# Altium PCB MB1019.PcbDoc (part 2 of 4)
Units mil, origin at the board's own origin, x right, y up, seen from the top; angles counter-clockwise.
Board outline 4655 x 6805 mil, 4 copper layers (TopLayer, VCC, GND, BottomLayer), stack 26.137 mil thick; 557 components, 425 nets, 1918 pads, 817 vias.
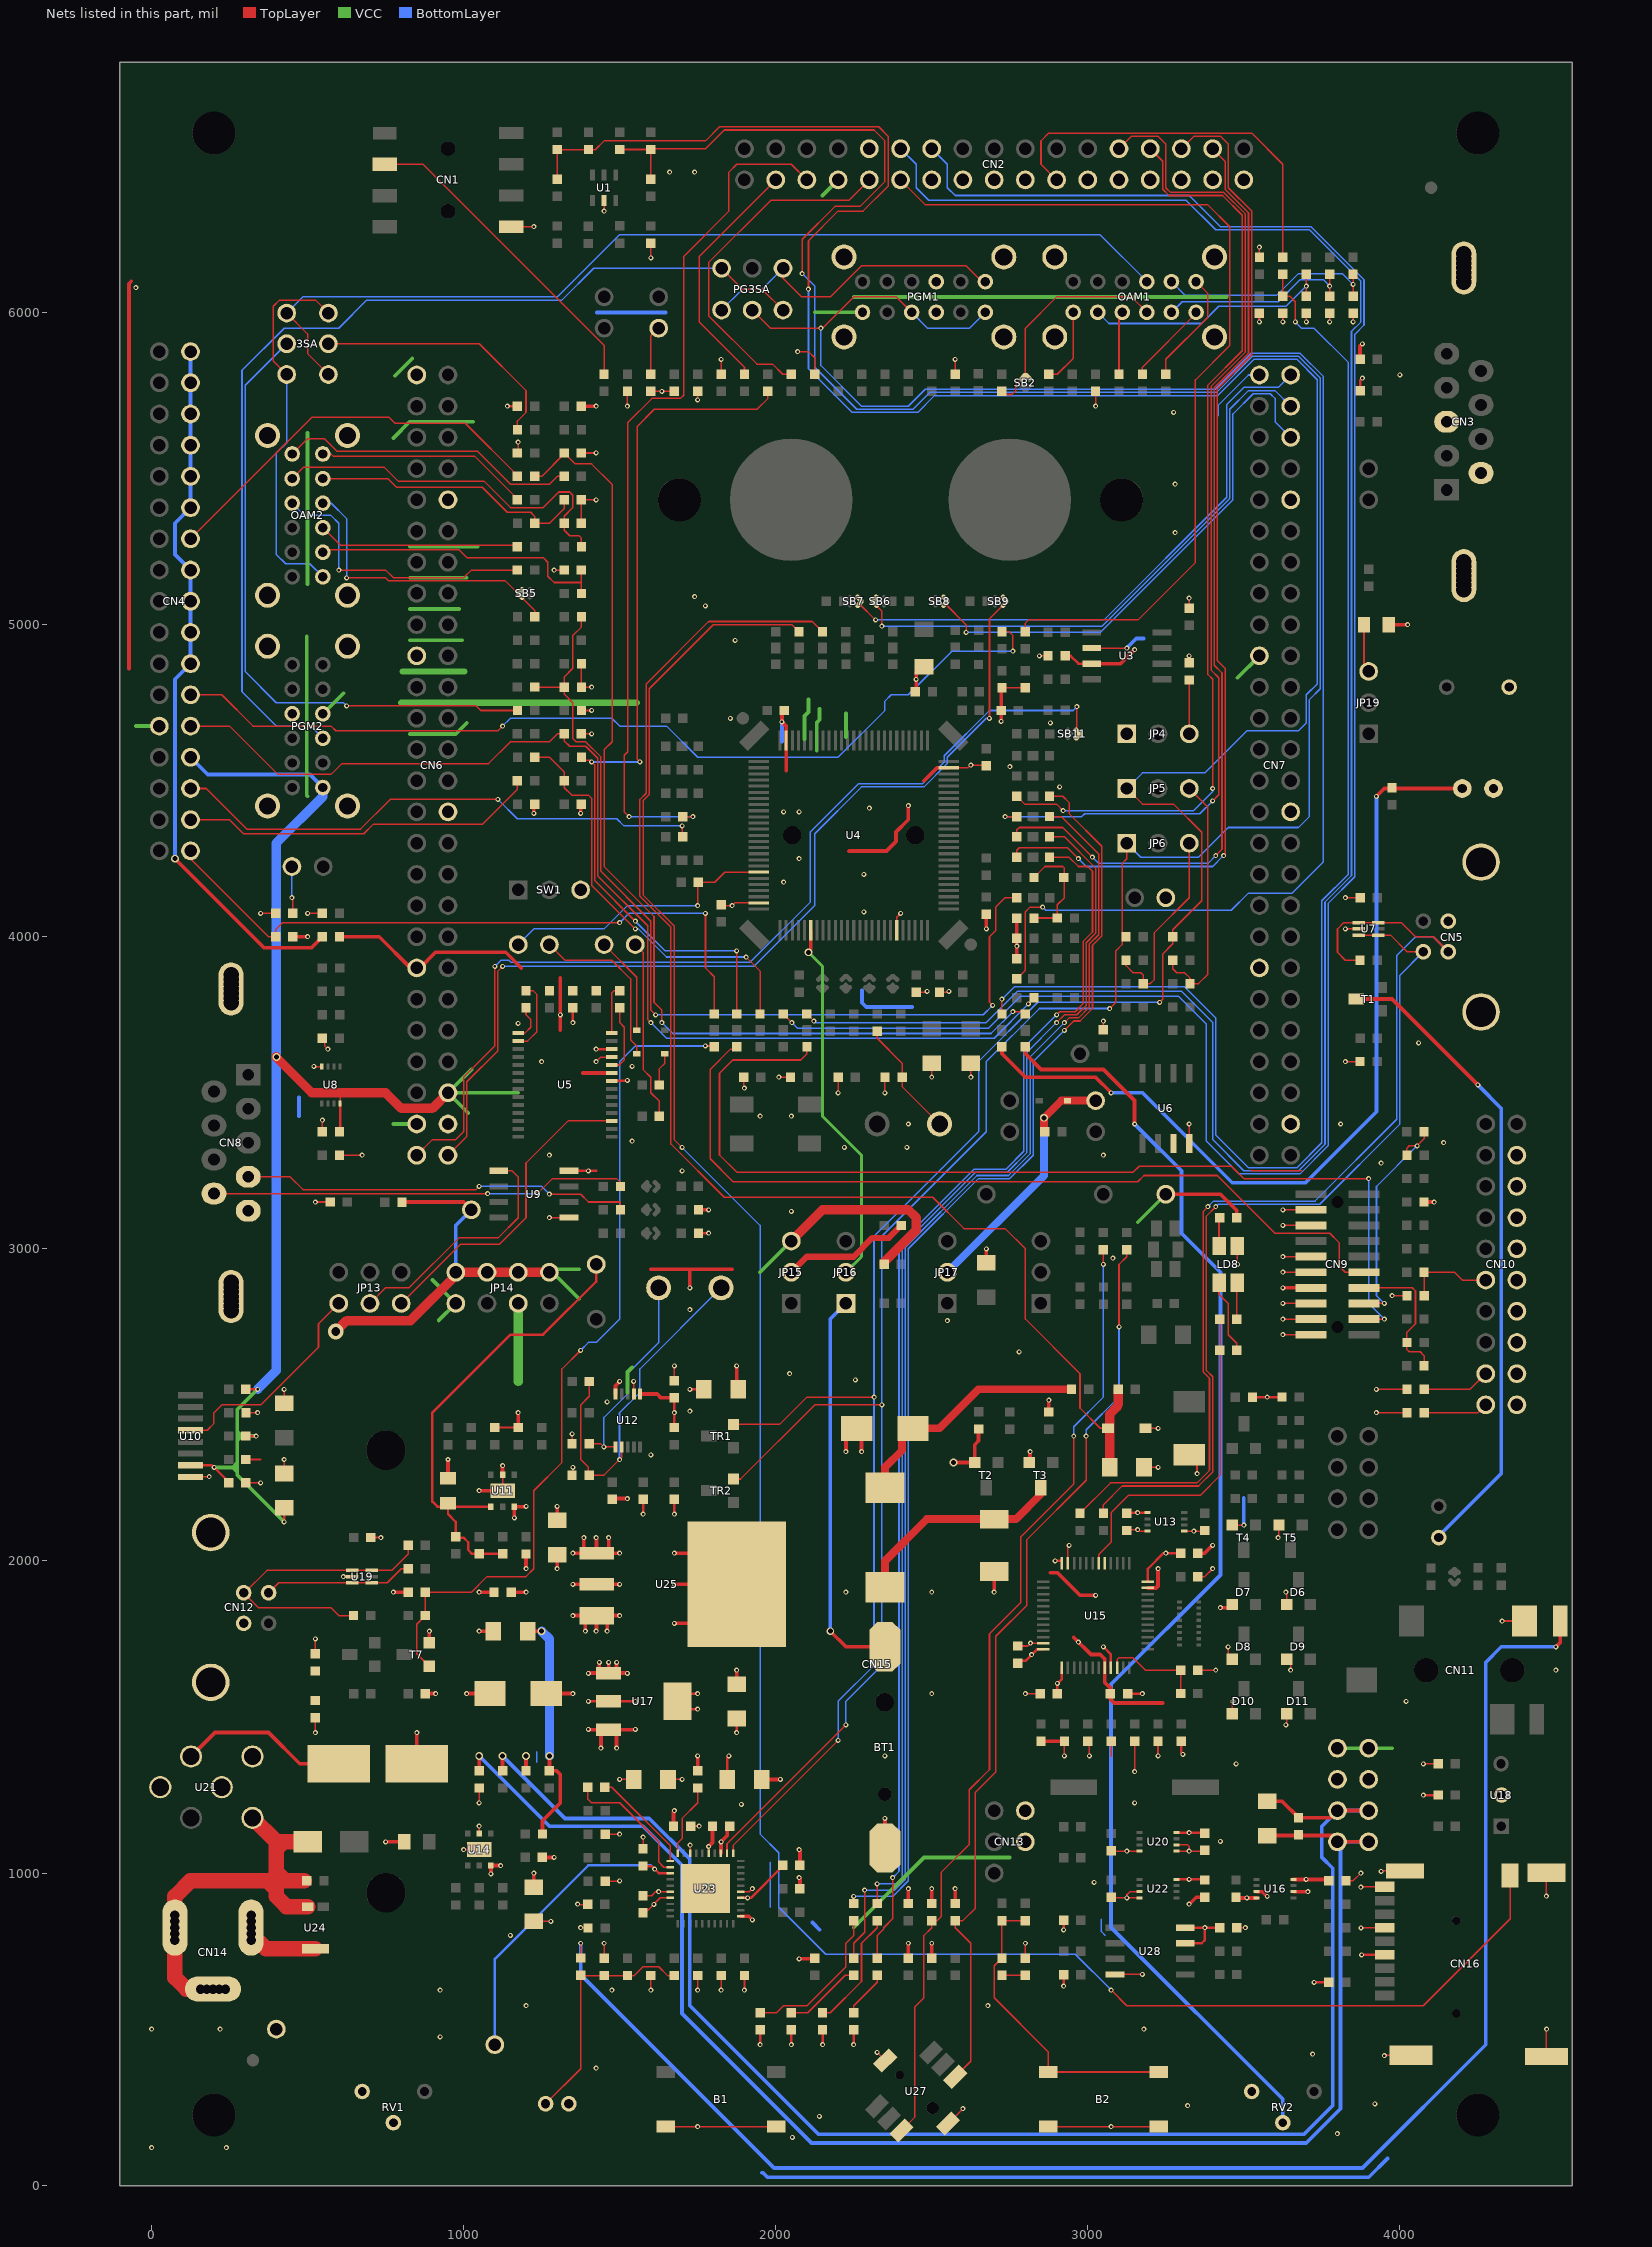
[diagram p4: the nets of this part, all layers, seen from the top]

## Via types
v1: diameter 16, hole 8, TopLayer to BottomLayer, tented both sides, 770 vias
v2: diameter 16, hole 8, TopLayer to BottomLayer, 26 vias
v3: diameter 25, hole 16, TopLayer to BottomLayer, tented both sides, 17 vias
v4: diameter 50, hole 28, TopLayer to BottomLayer, tented both sides, 4 vias

## Nets (pads, with @x,y where several pads share a name; then routed paths per layer and width w, separated by ;. In a path a pad name is that pad's centre, name@x,y a point inside that pad or via, vN(x,y) a via of type N, cw(c..) or ccw(c..) an arc to the next point about the centre after c; other vN are vias at no path point)
+1V8: C66.1 C70.2 R253.2 R278.1 TP6.1 U11.4 | length 1527.4
  TopLayer w7.87: C66.1@950,2173.82 950,2150 975,2125 975,2077.5 977.5,2075 1000,2075 1015,2060 1015,2035 1027.5,2022.5 C70.2@1125,2022.5 ; U11.4@1087.6,2173.82 916.18,2173.82 900,2190 900,2475 1150,2725 1255,2725 1425,2895 TP6.1@1425,2950
+2V5: C96.1 C103.1 C104.1 C105.1 C106.1 TP9.1 U17.2 U23.13 U23.16 U23.34 | length 1686.9
  TopLayer w5: C105.1@1575,927.5 1602.5,927.5 1615.16,940.16 U23.16@1662.01,940.16
  TopLayer w8: v1(1400,1550) v1(1550,1550) ; C106.1@1575,1022.5 1602.5,1022.5 1625.79,999.21 U23.13@1662.01,999.21 ; U17.2@1685,1525 v1(1750,1525) ; U17.2@1685,1575 v1(1750,1575) ; C96.1@1845,1300 1845,1370 v1(1850,1375) ; v1(1875,1450) C104.1@1875,1495 ; U23.34@1887.99,920.47 1920.47,920.47 2022.5,1022.5 C103.1@2022.5,1025
  BottomLayer w8: TP9.1@1100,450 1100,725 1400,1025 1600,1025 v1(1612.32,1012.68)
  other v1: 1910,920.47 1625,940.16
+3V3: C18.2 C36.2 C53.2 C57.1 C60.1 C65.1 C69.1 C74.2 C76.2 C80.2 C82.1 C83.1 C84.2 C86.1 C110.2 C114.1 C115.2 C129.2 CN2.28 CN4.28 CN6.48 CN13.4 CN15.9 CN15.10 CN16.4 JP15.3 LD1.1 LD2.1 LD3.1 LD4.1 LD9.1 PGM1.1 PGM1.4 PGM1.7 PGM2.1 PGM2.4 PGM2.7 R72.2 R78.2 R86.1 R125.2 R222.2 R228.2 R230.2 R240.2 R243.1 R249.2 R252.1 R255.1 R269.1 R270.1 R277.2 R292.2 R293.1 R296.2 R314.1 R320.2 R328.1 T1.3 TP4.1 U3.3 U5.22 U5.26 U8.8 U9.8 U10.7 U12.1 U13.1 U15.1 U15.9 U15.24 U15.36 U15.48 U16.8 U20.8 U22.8 U25.2 U28.7 U28.8 | length 16163.7
  TopLayer w5: U8.8@604.53,3465.94 604.53,3499.53 605,3500
  TopLayer w8: U10.7@125,2306.5 193.5,2306.5 247.5,2252.5 C65.1@247.5,2250 ; R252.1@302.5,2400 v1(335,2400) ; R243.1@302.5,2550 v1(340,2550) ; v1(425,2125) C69.1@425,2170 ; C53.2@604.53,3377.03 U8.8@604.53,3465.94 ; v1(1140,5700) R78.2@1172.5,5700 ; U9.8@1337.5,3250 1425,3250 ; v1(1350,3725) C36.2@1350,3772.5 ; v1@1425.16,3640.16 U5.26@1474.61,3640.16 ; U5.22@1474.61,3537.8 1522.8,3537.8 v1(1525,3540) ; v1@1576,2151 R269.1@1576,2197.5 ; v1(1675,2150) R270.1@1675,2197.5 ; R255.1@1675,2427.5 C60.1@1675,2522.5 ; v1(1725,2550) C57.1@1770,2550 ; R230.2@1752.5,3050 v1(1785,3050) ; v1(1950,450) LD4.1@1950,497.5 ; v1(2050,450) LD3.1@2050,497.5 ; v1(2150,450) LD2.1@2150,497.5 ; v1(2250,450) LD1.1@2250,497.5 ; C80.2@2770,1680 2800,1680 2836.73,1716.73 U15.48@2857.68,1716.73 ; v1(2895,2000) U15.36@2915,2000 ; C82.1@2902.5,1575 v1(2902.5,1607.5) 2916.73,1621.73 U15.1@2916.73,1657.68 ; v1(2922.5,637.5) R328.1@2922.5,674 ; v1(2922.5,817.5) R314.1@2922.5,849 ; C18.2@2927.5,4900 2945,4900 2970,4875 U3.3@3012.5,4875 ; v1(3050,1725) 3074.21,1700.79 U15.9@3074.21,1657.68 ; C76.2@3127.03,2154.53 U13.1@3190.94,2154.53 ; C84.2@3127.5,1575 v1(3175,1575) ; U15.24@3192.32,1933.27 3192.32,1975 3242.32,2025 C74.2@3297.5,2025 ; U22.8@3284.06,979.53 C115.2@3372.97,979.53 ; U20.8@3284.06,1129.53 C110.2@3372.97,1129.53 ; R292.2@3300,1422.5 3300,1385 v1(3305,1380) ; U28.7@3312.5,775 3365,775 3375,785 v1(3375,825) ; U28.8@3312.5,825 C114.1@3422.5,825 ; R249.2@3527.5,2525 R240.2@3622.5,2525 ; v1(3550,5970) R72.2@3550,5997.5 ; v1(3725,650) R320.2@3772.5,650 ; R86.1@3872.5,5750 3872.5,5782.5 v1(3880,5790) ; v1(3877.01,737.99) CN16.4@3951.65,737.99 ; v1(4075,1250) R296.2@4122.5,1250
  TopLayer w12: C86.1@1152.5,1900 v1(1200,1900) ; C83.1@1205,1775 v3(1250,1775) ; R277.2@1252.5,1125 1252.5,1167.5 1310,1225 1310,1315 1297.5,1327.5 1275,1327.5 v3(1275,1375) ; v1(1350,1925) v1(1500,1925) ; U12.1@1565.37,2534.69 1620.31,2534.69 1632.5,2522.5 C60.1@1675,2522.5 ; v1(1675,1800) U25.2@1760,1800 ; v1(1675,1925) U25.2@1780,1925 ; v1(1675,2025) U25.2@1765,2025 ; U3.3@3012.5,4875 3105,4875 v1(3150,4920) ; TP4.1@3250,3175 3425,3175 3477.5,3122.5 R228.2@3477.5,3100 ; R125.2@3325,4877.5 v1(3325,4900) ; U16.8@3659.06,979.53 3767.97,979.53 C129.2@3772.5,975 ; T1.3@3860,3800.5 3974.5,3800.5 v1(4250,3525)
  TopLayer w30: v3(400,3615) 400,3613.54 513.54,3500 750,3500 800,3450 900,3450 CN6.48@950,3500 ; JP15.3@2050,3025 2150,3125 2425,3125 2450,3100 2450,3060 2347.5,2957.5 R222.2@2347.5,2950
  VCC w12: v1(200.24,2299.76) 260.24,2299.76 275,2285 ; 275,2300 260,2300 275,2315 ; 275,2400 290,2400 ; v1(335,2400) 290,2400 ; v1(340,2550) 275,2485 275,2415 ; v1(425,2125) 275,2275 275,2385 ; 497.38,4962.38 497.38,4452.62 500,4450 ; 500,5130 500,5615 ; PGM2.4@549.21,4714.37 614.84,4780 ; 775,5597.91 827.09,5650 1030,5650 ; 780.09,5797.46 835.76,5853.12 ; 827.09,4950 995,4950 ; 827.09,5050 985,5050 ; 827.09,5150 1010,5150 ; 827.09,5250 1045,5250 ; 1015,3435 CN6.48@950,3500 ; 1025,3575 CN6.48@950,3500 ; 1175,3500 CN6.48@950,3500 ; 1950,2925 JP15.3@2050,3025 ; JP15.3@2050,3020 JP15.3@2060,3020 ; 2125.79,6000.79 PGM1.1@2278.15,6000.79 ; 2150,6375 CN2.28@2200,6425 ; 2250,825 2475,1050 2750,1050 ; 2250,6050 3445,6050 ; 3160,3085 TP4.1@3250,3175 ; CN15.9@3800,1400 3975,1400 ; 275,2385 290,2400 ; 275,2385 275,2415 ; 275,2415 290,2400
  BottomLayer w12: CN4.28@125,4575 180,4520 507.36,4520 PGM2.1@549.21,4478.15 ; LD9.1@4125,2075 4120,2075 4325,2280 4325,3450 v1(4250,3525)
  BottomLayer w30: v1(340,2550) 400,2610 400,4300 549.21,4449.21 PGM2.1@549.21,4478.15 ; v3(1250,1775) 1275,1750 v3(1275,1375)
  other v1: 3325,979.53 3325,1129.53 2819.78,1699.78 3250,2025 1575,2150 3160,2154.53 1675,2475 3575,2525 1400,3250 1425,3640
  other v2: 3699.53,979.53
+5V: C67.1 C78.1 C87.1 C91.1 C94.1 C99.1 CN2.25 CN4.25 JP14.2 JP14.4 JP14.6 JP14.8 R225.2 R258.1 R290.1 T3.1 TP5.1 U11.6 U14.6 U17.3 U23.5 U23.8 U25.3 | length 2799.6
  TopLayer w5: R225.2@802.5,3150 R225.2@815,3150 ; C91.1@1655,1300 v1(1700,1300) ; U23.8@1725.79,1062.99 v1(1725.79,1089.21) ; C94.1@1727.5,1150 v1(1755,1150) ; U23.5@1784.84,1062.99 v1@1784.84,1084.84
  TopLayer w12: R225.2@815,3150 1000,3150 TP5.1@1025,3125 ; v1(1087.4,997.6) U14.6@1087.4,1023.82 v1(1118.82,1023.82) ; v1(1162.4,2137.6) U11.6@1162.4,2173.82 v1@1198.82,2173.82 ; R290.1@1200,1327.5 v3(1200,1375) ; C78.1@1225,955 v1(1225,1000) ; C87.1@1265,1575 v1(1350,1575) ; C67.1@1300,2130 v1(1300,2175) ; v1(1350,1825) v1(1500,1825) ; v1(1390,1775) U25.3@1390,1825 ; v1(1400,1460) 1400.55,1459.45 1549.45,1459.45 v1(1550,1460) ; v1(1425,1775) 1426.18,1776.18 U25.3@1426.18,1825 ; v1(1440,1400) U17.3@1440,1459.45 ; v1(1460,1775) U25.3@1460,1825 ; v1(1490,1400) U17.3@1490,1459.45 ; v1(1785,1085) 1797.5,1097.5 C99.1@1797.5,1150 ; T3.1@2815,2315 v1(2815,2350) ; R258.1@2875,2477.5 v1(2875,2515)
  TopLayer w30: v4(590,2735) 625,2770 830,2770 JP14.2@985,2925 ; JP14.2@975,2925 JP14.8@1275,2925
  VCC w12: -50,4675 CN4.25@25,4675 ; JP14.8@1275,2925 1285,2925 1370,2840 ; JP14.8@1275,2935 1370,2935 ; 1525,2540 1525,2605 1540,2620
  BottomLayer w12: JP14.2@975,2925 975,3075 TP5.1@1025,3125
  other v1: 1200,2175
AIN_1: R287.1 R288.2 U15.10 | length 323.9
  TopLayer w5: U15.10@3093.9,1657.68 3093.9,1683.9 3100,1690 3145,1690 3185,1650 3297.5,1650 R288.2@3297.5,1575
BOOT0: JP9.2 R166.1 U4.94 | length 908.4
  TopLayer w5: v1(1750,4100) R166.1@1750,4172.5 ; R166.1@1752.5,4172.5 1752.5,4175 1805,4175 1836.89,4206.89 U4.94@1945.87,4206.89
  BottomLayer w5: JP9.2@1175,3975 1225,4025 1450,4025 1525,4100 v1(1750,4100)
D5V: CN6.49 CN7.19 JP14.1 | length 1852.3
  VCC w12: 775,3400 CN6.49@850,3400 ; 827.09,4650 975,4650 1010,4685 ; 900,2900 JP14.1@975,2825 920,2770 ; 2092.42,4632.58 2092.42,4707.42 2105,4720 2105,4760 ; 2131.89,4596.89 2131.89,4686.89 2140,4695 2140,4730 ; 2225,4640 2225,4715 ; 3480,4830 CN7.19@3550,4900
  VCC w20: 800,4750 1555,4750 ; 805,4850 1002.91,4850
E5V: C85.1 JP14.5 U21.3 | length 824.7
  TopLayer w12: U21.3@126.57,1373.43 203.15,1450 375,1450 475,1350 C85.1@600,1350
  VCC w12: U21.3@126.57,1373.43 U21.3@126.57,1401.57
  VCC w30: 1175,2575 JP14.5@1175,2825
GND: B1.1 B1.4 B2.1 B2.4 BT1.2 C1.1 C2.1 C3.2 C4.1 C5.1 C6.1 C7.1 C8.1 C9.1 C10.1 C11.1 C12.1 C13.1 C14.2 C15.1 C16.1 C17.1 C18.1 C19.1 C20.2 C22.1 C23.1 C24.1 C25.2 C26.1 C27.1 C28.1 C30.2 C31.1 C32.2 C34.1 C35.1 C36.1 C38.1 C39.1 C40.1 C42.2 C43.2 C45.2 C46.2 C47.2 C48.2 C49.1 C50.2 C51.2 C52.1 C53.1 C57.2 C58.2 C59.2 C60.2 C61.2 C62.2 C63.2 C64.2 C65.2 C66.2 C67.2 C68.2 C69.2 C71.2 C72.2 C73.2 C74.1 C75.2 C76.1 C78.2 C79.1 C80.1 C81.2 C82.2 C83.2 C84.1 C85.2 C86.2 C87.2 C88.1 C89.1 C90.2 C91.2 C92.1 C94.2 C95.2 C96.2 C99.2 C103.2 C104.2 C105.2 C106.2 C107.2 C108.1 C109.1 C110.1 C111.1 C112.1 C113.1 C114.2 C115.1 C116.1 C117.2 C118.2 C120.2 C121.1 C122.1 C124.1 C125.1 C126.1 C127.1 C128.1 C129.1 C130.1 C131.2 C132.2 C133.2 C134.2 C135.2 C136.2 CN1.7 CN2.2 CN2.4 CN2.6 CN2.8 CN2.10 CN2.12 CN2.16 CN2.18 CN2.20 CN2.22 CN3.0 CN3.3 CN3.6 CN5.0 CN5.4 CN6.1 CN6.10 CN6.19 CN6.30 CN6.39 CN6.50 CN7.1 CN7.10 CN7.30 CN7.39 CN7.50 CN8.0 CN8.5 CN9.3 CN9.5 CN9.9 CN9.11 CN9.13 CN9.15 CN9.17 CN9.19 CN10.4 CN10.6 CN10.8 CN10.10 CN10.12 CN10.14 CN10.16 CN10.18 CN10.20 CN11.3 CN12.4 CN13.2 CN15.11 CN15.12 CN16.0 CN16.6 CN16.9 D4.1 D5.1 D6.2 D7.2 D8.2 D9.2 D10.2 D11.2 JP4.1 JP8.2 L4.1 LD5.2 LD8.1 OAM1.0 OAM2.0 PGM1.0 PGM2.0 R73.1 R106.2 R112.1 R114.1 R117.1 R130.1 R133.1 R164.1 R214.2 R217.1 R224.1 R226.2 R234.1 R244.2 R251.1 R256.1 R259.1 R261.1 R265.1 R267.2 R268.1 R279.2 R284.2 R287.2 R289.1 R291.1 R294.1 R295.1 R301.1 R302.1 R322.2 R327.1 RV1.2 RV1.3 RV2.3 SW1.3 T2.1 T4.1 T5.1 T7.1 TP8.1 U1.2 U2.2 U3.2 U4.20 U4.49 U4.74 U4.99 U5.23 U5.25 U6.3 U6.4 U7.2 U8.4 U9.5 U10.8 U11.0 U11.2 U12.2 U12.5 U13.4 U13.5 U14.0 U14.2 U15.8 U15.23 U15.35 U15.47 U16.3 U16.4 U16.6 U17.1 U18.2 U19.2 U20.4 U20.5 U20.6 U21.4 U21.5 U21.6 U22.3 U22.4 U23.0 U23.3 U23.17 U23.31 U23.35 U25.1 U26.1 U27.0 U28.4 | length 19223.2
  TopLayer w5: U10.8@125,2269.09 184.09,2269.09 v1(185,2270) ; C65.2@302.5,2250 v1(350,2250) ; C61.2@302.5,2325 350,2325 ; R244.2@302.5,2475 v1(340,2475) ; v1(350,4075) C34.1@397.5,4075 ; C69.2@425,2280 v1(425,2325) ; C62.2@425,2505 v1(425,2550) ; v1(500,4075) C35.1@547.5,4075 ; v1(520,3585) 520.94,3584.06 U8.4@545.47,3584.06 ; v1(525,1450) R289.1@525,1497.5 ; C79.1@525,1702.5 v1(525,1750) ; v1(525,3150) LD5.2@572.5,3150 ; C53.1@547.5,3375 v1(547.5,3412.5) ; C40.1@555,3675 555,3650 v1(565,3640) ; R217.1@602.5,3300 v1(675,3300) ; v1(615,1950) U19.2@643.7,1950 ; C63.2@702.5,2075 v1(735,2075) ; v1(1000,1075) U14.0@1075,1075 ; U14.2@1050,1126.18 v1(1050,1150) ; v1(1050,1225) L4.1@1050,1272.5 ; C58.2@1100,2427.5 C71.2@1175,2427.5 ; U11.0@1125,2225 U11.2@1125,2276.18 ; CN1.7@1152.5,6275 v1(1225,6275) ; C133.2@1175,5552.5 v1(1175,5585) ; C78.2@1225,845 v1(1280,845) ; v1(1275,3100) U9.5@1337.5,3100 ; v1(1290,5175) C17.1@1322.5,5175 ; C59.2@1347.5,2375 v1(1347.5,2407.5) ; C64.2@1350,2277.5 v1(1350,2300) ; v1(1365,900) 1366,899 C112.1@1398.5,899 ; v1(1375,825) 1397.5,825 C111.1@1398.5,824 ; C19.1@1377.5,4650 v1(1410,4650) ; C134.2@1377.5,4725 v1(1410,4725) ; C135.2@1377.5,4875 1377.5,4800 v1(1410,4800) ; C16.1@1377.5,5325 C15.1@1377.5,5400 v1(1425,5400) ; C14.2@1377.5,5550 v1(1425,5550) ; v1(1425,3600) 1439.57,3614.57 U5.25@1474.61,3614.57 ; R322.2@1450,726.5 v1(1450,775) ; v1@1450,6320 U1.2@1450,6358.66 ; R302.1@1453.5,974 1499,974 v1(1500,975) ; R301.1@1453.5,1124 1499,1124 v1(1500,1125) ; v1(1500,1300) C91.2@1545,1300 ; v1(1525,5700) C10.1@1525,5747.5 ; v1(1545,2575) 1545.69,2574.31 U12.2@1545.69,2534.69 ; C105.2@1575,880 1590,880 1630.47,920.47 U23.17@1662.01,920.47 ; C106.2@1575,1077.5 v1(1575,1115) ; v1(1600,625) C118.2@1600,671.5 ; C11.1@1600,5747.5 C12.1@1675,5747.5 ; v1(1600,6175) C1.1@1600,6222.5 ; B1.1@1647.84,187.5 B1.4@2002.16,187.5 ; v1@1672.5,1197.5 v1(1675,1200) ; C60.2@1675,2577.5 v1(1675,2625) ; v1(1750,625) C120.2@1750,671.5 ; v1(1750,5720) C13.1@1750,5747.5 ; v1(1825,625) C128.1@1825,671.5 ; C7.1@1825,5802.5 v1(1825,5850) ; C31.1@1827.5,4100 v1(1860,4100) 1868.47,4108.47 U4.99@1945.87,4108.47 ; U23.35@1887.99,940.16 1915.16,940.16 v1(1925,950) ; C45.2@1897.5,3550 1897.5,3517.5 v1(1900,3515) ; v1(1900,625) C127.1@1900,671.5 ; v1(2010,3550) C50.2@2047.5,3550 ; v1(2070,5875) 2105,5875 2125,5855 C8.1@2125,5802.5 ; v1(2200,3500) C51.2@2200,3550 ; v1(2325,425) U27.0@2351.01,398.99 ; v1(2350,3500) C46.2@2350,3550 ; U4.20@2387.79,4020.87 2387.79,4062.79 v1(2400,4075) ; C38.1@2450,3822.5 2482.5,3822.5 v1(2485,3825) ; v1(2500,3550) C47.2@2500,3595 ; C39.1@2525,3822.5 2552.5,3822.5 v1(2555,3825) ; U27.0@2552.53,197.47 v1(2600,244.94) ; U4.49@2554.13,4541.53 2616.53,4541.53 v1(2625,4550) C25.2@2672.5,4550 ; C132.2@2575,5802.5 v1(2575,5850) ; v1(2625,3550) C48.2@2625,3595 ; C22.1@2722.5,4795 C22.1@2725,4797.5 C23.1@2800,4797.5 ; C80.1@2775,1727.5 2807.5,1727.5 v1(2816.42,1736.42) U15.47@2857.68,1736.42 ; R327.1@2800,727.5 v1(2800,775) ; v1(2800,1575) C82.2@2847.5,1575 ; v1(2845,4900) C18.1@2872.5,4900 ; B2.1@2872.83,187.5 B2.4@3227.17,187.5 ; v1(2925,1375) R291.1@2925,1422.5 ; U15.35@2936.42,1992.32 2936.42,2046.42 v1(2940,2050) ; v1(3005,1375) R295.1@3005,1422.5 ; U3.2@3012.5,4925 v1(3125,4925) ; v1(3025,5700) C131.2@3025,5747.5 ; C49.1@3050,3702.5 v1(3050,3730) ; 3075,1375 C88.1@3075,1422.5 ; C109.1@3076.03,1070.47 U20.4@3165.94,1070.47 ; C113.1@3077.03,920.47 U22.4@3165.94,920.47 ; U28.4@3087.5,675 v1(3175,675) ; v1(3125,920) 3125,930.16 3135,940.16 U22.3@3165.94,940.16 ; C76.1@3127.5,2100 v1(3160,2100) 3164.53,2095.47 U13.4@3190.94,2095.47 ; v1(3150,1325) C89.1@3150,1422.5 ; C68.2@3180,2300 v1(3225,2300) ; D4.1@3185,2425 v1(3225,2425) ; v1(3225,1375) C92.1@3225,1422.5 ; U20.5@3284.06,1070.47 C110.1@3372.97,1070.47 ; U20.6@3284.06,1090.16 3319.84,1090.16 3325,1085 v1(3325,1070.47) ; U13.5@3309.06,2095.47 C72.2@3372.97,2095.47 ; U6.4@3325,3337.5 v1(3325,3400) ; R106.2@3325,5052.5 v1(3325,5085) ; v1(3350,2280) R261.1@3350,2345 ; R287.2@3352.5,1650 v1(3410,1650) ; R279.2@3352.5,1950 3375,1950 v1(3400,1975) ; D8.2@3450,1692.5 v1(3450,1725) ; D10.2@3462.5,1510 3462.5,1547.5 v1(3465,1550) ; T4.1@3462.5,2115 v1(3500,2115) ; C114.2@3477.5,825 v1(3505,825) ; LD8.1@3479.53,3009.06 3479.53,2950.47 v1(3480,2950) ; 3522.27,3252.5 3524.77,3250 3687.5,3250 ; C2.1@3550,6177.5 v1(3550,6210) ; v1(3610,2075) 3612.5,2077.5 T5.1@3612.5,2115 ; v1(3625,2725) CN9.19@3715,2725 ; v1(3625,2775) CN9.17@3715,2775 ; v1(3625,2825) CN9.15@3715,2825 ; v1(3625,2925) CN9.11@3715,2925 ; v1(3625,2975) CN9.9@3715,2975 ; v1(3625,3075) CN9.5@3715,3075 ; v1(3625,3125) CN9.3@3715,3125 ; v1(3625,5970) C3.2@3625,5997.5 ; v1(3635,1475) 3637.5,1477.5 D11.2@3637.5,1510 ; v1(3635,1900) 3637.5,1897.5 D6.2@3637.5,1860 ; v1(3650,1650) D9.2@3650,1682.5 ; v1(3700,5970) C4.1@3700,5997.5 ; v1(3775,5970) C5.1@3775,5997.5 ; v1(3825,3600) R214.2@3872.5,3600 ; v1(3825,4025) U7.2@3868.7,4025 ; v1(3825,4125) C30.2@3872.5,4125 ; C129.1@3827.5,975 3850,975 v2(3875,1000) ; v1(3850,5970) C6.1@3850,5997.5 ; v1(3875,955) 3876.5,956.5 CN16.9@3951.65,956.5 ; v1(3875.39,824.61) CN16.6@3951.65,824.61 ; v1(3925,2475) R259.1@4022.5,2475 ; v1(3925,2550) R251.1@4022.5,2550 ; v1(3940,1005) 3941.69,1006.69 CN16.0@4016.61,1006.69 ; v1(3950,415) 3951.14,416.14 CN16.0@4036.3,416.14 ; v1(3975,2850) R234.1@4022.5,2850 ; v1(4075,1350) C90.2@4122.5,1350 ; v1(4327.48,1807.48) CN11.3@4399.37,1807.48 ; v1(4469.37,925.63) CN16.0@4469.37,1000.79 ; CN16.0@4469.65,412.07 4469.65,499.65 v1(4470,500)
  TopLayer w12: -72.5,4859.19 -72.5,6092.5 -65,6100 ; C28.1@452.5,4000 v1(500,4000) ; R112.1@602.5,4000 730,4000 CN6.39@830,3900 ; v1(750,1100) C75.2@810,1100 ; v1(775,1900) R265.1@822.5,1900 ; C85.2@850,1350 v1(850,1450) ; CN6.39@850,3900 860,3900 910,3950 1135,3950 1185,3900 ; R284.2@877.5,1575 v1(910,1575) ; T7.1@890,1737.5 v1(890,1775) ; C66.2@950,2265 v1(950,2325) ; v1(1010,1575) C87.2@1060,1575 ; v1(1050,1775) C83.2@1095,1775 ; v1(1050,1900) C86.2@1097.5,1900 ; v1(1050,2225) U11.0@1125,2225 ; U11.2@1125,2276.18 v1(1125,2305) ; C71.2@1175,2427.5 v1(1175,2475) ; v1(1200,1975) R267.2@1200,2022.5 ; v1(1225,4395) C27.1@1225,4422.5 ; C73.2@1252.5,1050 v1(1290,1050) ; v1(1300,1975) C67.2@1300,2020 ; 1310,3700 1310,3867.5 ; v1(1350,2025) U25.1@1395,2025 ; v1(1375,4395) C26.1@1375,4422.5 ; C9.1@1377.5,5700 v1(1425,5700) ; 1381.61,3563.39 U5.23@1474.61,3563.39 ; U25.1@1385,2025 v1(1385,2075) ; v1(1400,1640) 1400.55,1640.55 1524.45,1640.55 v1(1525,1640) ; v1(1425,2075) 1426.18,2073.82 U25.1@1426.18,2025 v1(1500,2025) ; U17.1@1435,1640.55 v1(1435,1675) ; U17.1@1465,1640.55 v1(1465,1675) ; U25.1@1465,2025 v1(1465,2075) ; R268.1@1478.5,2200 v1(1525,2200) ; U12.5@1486.63,2534.69 1486.63,2561.63 v1(1500,2575) ; U17.1@1490,1640.55 v1(1490,1675) ; 1600,2935 1860,2935 ; C94.2@1672.5,1150 v1@1672.5,1197.5 ; v1(1725,2875) 1725,2935 ; C95.2@1750,1327.5 v1(1750,1375) ; R226.2@1752.5,3125 v1(1785,3125) ; U23.3@1824.21,1062.99 1825,1063.78 v1(1825,1100) 1845,1120 C99.2@1845,1145 ; C104.2@1875,1605 v1(1875,1650) ; v1(1875,2625) 1875,2555 C57.2@1880,2550 ; U23.31@1887.99,861.42 1913.58,861.42 v1(1925,850) ; C96.2@1955,1300 v1(2015,1300) ; C20.2@2020,4725 v1(2020,4688.46) 2033.46,4675 2033.46,4531.54 ; v1(2075,725) C116.1@2122.5,725 ; v1(2075,985) 2077.5,982.5 C107.2@2077.5,950 ; v1(2075,1075) 2077.5,1072.5 C103.2@2077.5,1025 ; v1(2225,2350) C81.2@2225,2415 ; 2235,4274.08 2235.92,4275 2355,4275 2385.63,4305.63 2385.63,4335.63 2425,4375 v1(2425,4420) ; v1(2275,2350) C81.2@2275,2405 ; BT1.2@2350,1055 v1(2350,1175) ; C126.1@2425,727.5 v1(2425,775) ; C124.1@2425,902.5 v1(2425,950) ; R130.1@2450,4787.5 C52.1@2450,4850 ; 2475,4500 2516.53,4541.53 U4.49@2554.13,4541.53 ; C125.1@2500,727.5 v1(2500,775) ; C122.1@2500,902.5 v1(2500,950) ; v3(2570,2315) T2.1@2637.5,2315 2637.5,2372.5 2650,2385 R256.1@2650,2422.5 ; C108.1@2575,902.5 v1(2575,950) ; C117.2@2675,2955 v1(2675,3000) ; v1(2675,4025) C32.2@2675,4072.5 ; v1(2700,1900) D5.1@2700,1965.94 ; v1(2722.5,4690) C22.1@2722.5,4795 ; R114.1@2772.5,3930 R133.1@2772.5,4060 ; R294.1@2850,1422.5 R291.1@2925,1422.5 ; 2880,1962.2 2902.8,1962.2 2975,1890 v1(3025,1890) ; 2955,1755 3010,1700 3040,1700 3054.53,1685.47 3054.53,1610.47 3072.5,1592.5 3072.5,1557.5 3085,1545 3240,1545 ; U15.23@3192.32,1913.58 3218.58,1913.58 3225,1920 v1(3225,1975) ; v2(3325,900) 3347.5,922.5 C115.1@3375,922.5 ; C74.1@3352.5,2025 3375,2025 v1(3400,2050) ; v1(3425,1850) D7.2@3460,1850 ; C130.1@3477.5,920 U16.4@3540.47,920 ; v2(3510,920) v2@3510,920.47 ; U16.3@3540.94,940.16 3559.84,940.16 v2(3575,925) ; v1(3625,2875) CN9.13@3715,2875 ; U16.6@3659.06,940.16 v2(3704.84,940.16) ; R73.1@3872.5,5850 3872.5,5892.5 v1(3880,5900) ; C121.1@3965,5000 v1(4025,5000) ; R224.1@4077.5,3150 v1(4110,3150)
  BottomLayer w5: 1235,1355 1235,1388.46 ; 1982.5,890 1982.5,1033.82 ; 3043.73,852.17 3043.73,812.43 3056.16,800 ; 3417.5,5670 3417.5,5702.5 3515,5800 CN7.1@3550,5800
  BottomLayer w12: 472.5,3425.86 472.5,3485 ; 1427.09,6000 1647.91,6000 ; 1955,40 1958.67,40 1973.67,25 3900,25 3960,85 ; 2020,4625 v1(2020,4688.46) ; v1(2053.4,152.76) v1@2053.65,152.51 ; 2117.66,841.23 2140.49,818.4 ; 2276.17,3827.83 2276.17,3788.83 2290,3775 2437.5,3775 ; v1@3020,1890 v1(3025,1890) ; v1(3125,4925) 3155.56,4955.56 3178.33,4955.56 ; v1(3500,2115) 3500,2202.5
  other v1: 0,120 240,120 3800,165 1750,187.5 3075,187.5 2140,220 3320,255 3920,260 1425,375 3720,420 925,475 0,500 220,500 3180,500 1200,575 2680,575 925,625 1475,625 1150,800 1609.86,899.86 1775,950 3125,1070.47 1890,1220 3150,1225 3475,1350 2350,1375 2500,1575 2970,1740 2225,1900 2500,1900 3340,2095.47 1600,2340 1725,2480 1460,2510 2255,2580 2045,2600 2780,2670 1725,2805 3080,2970 2050,3120 1700,3250 3940,3275 1275,3300 2220,3325 2420,3325 4140,3340 1540,3345 2425,3400 3810,3400 1950,3425 2050,3425 1540,3585 1250,3600 4060,3660 1175,3722.24 1310,3750 2772.5,3970 2282.5,4080 2025,4175 2282.5,4200 2075,4250 2025,4400 2075,4400 2300,4412.5 2910,4480 2750,4545 2880,4685 1855,4700 2450,4825 1870,4950 1775,5060 1740,5090 3280,5295 3280,5450 3275,5680 1635,5747.5 4000,5800 -50,6080 1450,6325 1660,6450 1740,6450
  other v2: 3020,970 3425.01,1101.1 4020,1550 4500,1650 2550,2770 3050,3300
LED_STLINK: R236.1 R239.1 U15.30 | length 1076.5
  TopLayer w5: U15.30@3034.84,1992.32 3034.84,2020.7 3075,2060.86 3075,2155 3130,2210 3360,2210 3425,2275 R236.1@3425,2772.5
MC1_CURRENTA+: C4.2 OAM1.2 R68.2 | length 802.6